# Altium PCB Processor_unit.PcbDoc (part 2 of 2)
Units mm, origin at the board's own origin, x right, y up, seen from the top; angles counter-clockwise.
Board outline 150.02 x 64.8 mm, 4 copper layers (Top Layer, Layer 1, Layer 2, Bottom Layer), stack 0.603 mm thick; 133 components, 173 nets, 617 pads, 278 vias.
Unrouted connection lines stored in the file: 328.
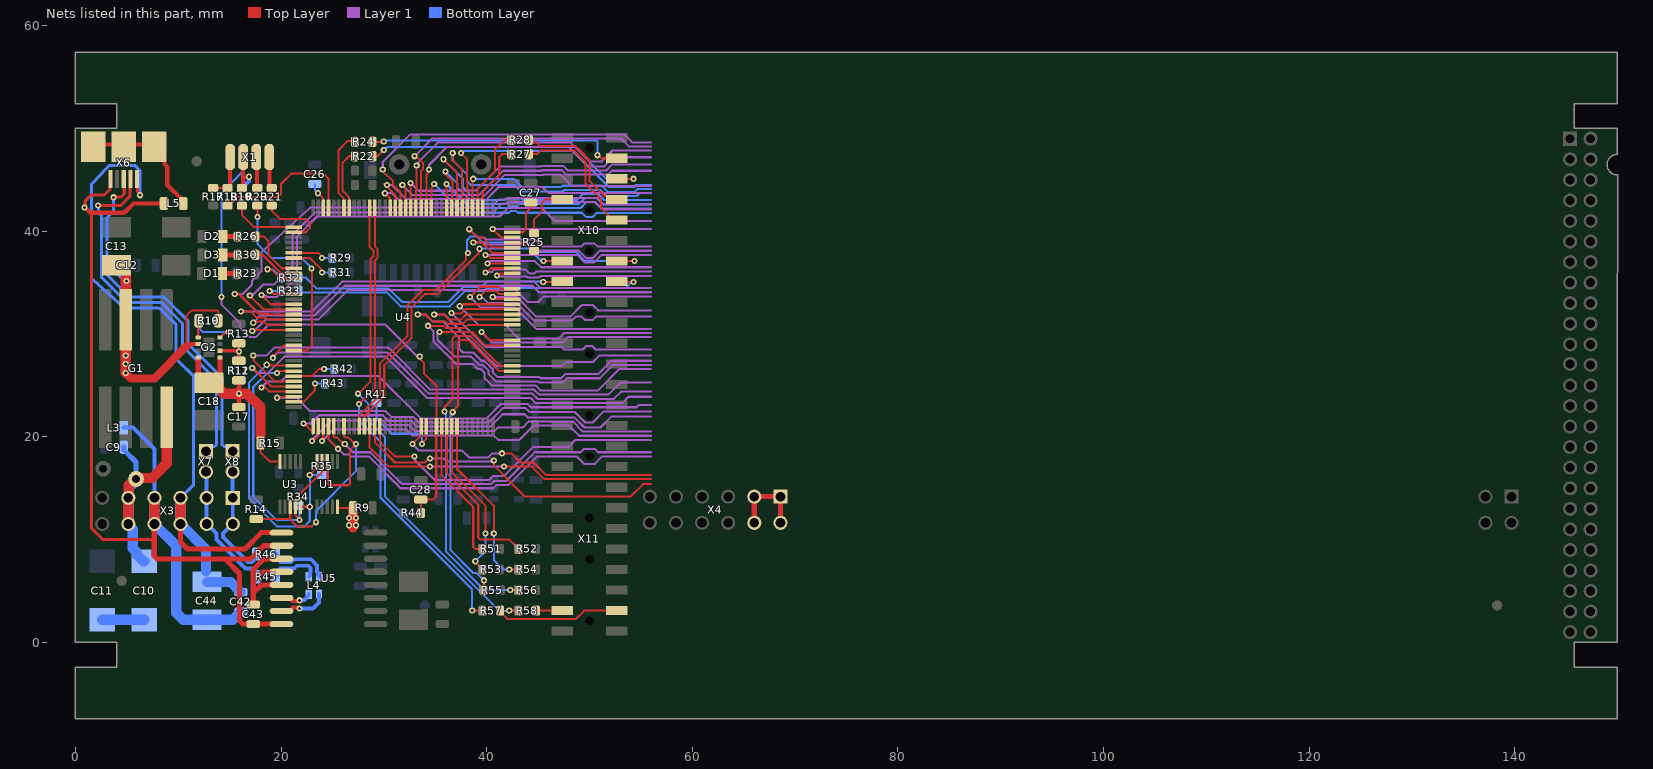
[diagram p4: the nets of this part, all layers, seen from the top]

## Via types
v1: diameter 0.6, hole 0.3, Top Layer to Bottom Layer, 243 vias
v2: diameter 0.8, hole 0.8, Top Layer to Bottom Layer, 30 vias
v3: diameter 0.5, hole 0.2, Top Layer to Bottom Layer, 2 vias
v4: diameter 1.2, hole 0.6, Top Layer to Bottom Layer, 1 vias
v5: diameter 1.5, hole 0.8, Top Layer to Bottom Layer, 1 vias
v6: diameter 1.1, hole 0.8, Top Layer to Bottom Layer, 1 vias

## Nets (pads, with @x,y where several pads share a name; then routed paths per layer and width w, separated by ;. In a path a pad name is that pad's centre, name@x,y a point inside that pad or via, vN(x,y) a via of type N, cw(c..) or ccw(c..) an arc to the next point about the centre after c; other vN are vias at no path point) (continued)
GPIO_7: R57.2 X11.17 | length 12.1
  Top Layer w0.2: R57.2@41.3,3.1 41.3,3 42,2.3 48.7,2.3 49.5,3.1 X11.17@52.65,3.1
GPIO_8: R58.2 X11.18 | length 2.6
  Top Layer w0.2: R58.2@44.796,3.1 X11.18@47.35,3.1
GPIO_9: U4.141 | length 44.2
  Top Layer w0.2: v1(18.1,24.8) 18.466,24.8 18.841,24.425 21.225,24.425 U4.141@21.25,24.4
  Layer 1 w0.2: v1(18.1,24.8) 18.684,25.384 19.996,25.384 20.512,25.9 29.482,25.9 33.582,21.8 40,21.8 41.4,23.2 44,23.2 44.322,22.878 54.578,22.878 54.8,23.1 56,23.1
GPIO_10: U4.142 | length 40.7
  Top Layer w0.2: v1(19.6,23.8) 19.675,23.875 21.225,23.875 U4.142@21.25,23.9
  Layer 1 w0.2: v1(19.6,23.8) 21.519,23.8 22.806,22.512 30.139,22.512 30.71,21.941 32.859,21.941 33.4,21.4 40.19,21.4 41.59,22.8 43.8,22.8 44.2,22.4 48.6,22.4 49.625,21.375 50.3,21.375 51.403,22.478 56,22.478
GPIO_11: U4.1 | length 37.6
  Top Layer w0.2: v1(22.2,21.3) 22.256,21.3 22.956,20.6 23.125,20.769 U4.1@23.125,21.025
  Layer 1 w0.2: v1(22.2,21.3) 22.893,21.3 23.693,22.1 29.9,22.1 30.459,21.541 32.659,21.541 33.2,21 40.356,21 41.556,22.2 43.7,22.2 44,21.9 48.534,21.9 49.527,20.907 51.075,20.907 52.168,22 56,22
GPIO_12: U4.2 | length 36.9
  Top Layer w0.2: v1(23,19.6) 23.151,19.6 23.625,20.074 U4.2@23.625,21.025
  Layer 1 w0.2: v1(23,19.6) 23,19.695 24.905,21.6 29.834,21.6 30.293,21.141 32.459,21.141 33.038,20.562 40.728,20.562 41.066,20.9 43.5,20.9 44.1,21.5 48.369,21.5 49.363,20.505 56,20.505
GPIO_13: U4.3 | length 35.3
  Top Layer w0.2: v1(24,19.6) 24.112,19.712 24.112,21.013 U4.3@24.125,21.025
  Layer 1 w0.2: v1(24,19.6) 25.1,20.7 32.207,20.7 32.785,20.122 40.698,20.122 41.12,19.7 43.2,19.7 44.6,21.1 48,21.1 48.995,20.105 56,20.105
GPIO_14: U4.4 | length 36.5
  Top Layer w0.2: U4.4@24.625,21.025 24.625,19.775 25.534,18.866 v1(25.534,18.834)
  Layer 1 w0.2: v1(25.534,18.834) 25.566,18.834 26.098,18.302 26.598,18.302 26.8,18.1 28.52,18.1 31.62,15 40.631,15 40.932,15.301 42.122,15.301 44.921,18.1 48.749,18.1 49.474,17.375 50.526,17.375 51.251,18.1 56,18.1
GPIO_15: U4.5 | length 35.3
  Top Layer w0.2: U4.5@25.125,21.025 25.125,20.042 25.242,19.925 25.475,19.925 26.1,19.3 v1(26.2,19.3)
  Layer 1 w0.2: v1(26.2,19.3) 27,18.5 28.686,18.5 31.786,15.4 40.466,15.4 40.767,15.701 41.899,15.701 44.698,18.5 49.149,18.5 49.474,18.825 50.526,18.825 50.851,18.5 56,18.5
GPIO_16: U4.58 | length 18.9
  Top Layer w0.2: v1(40.6,33.6) 40.708,33.6 40.908,33.4 U4.58@42.5,33.4
  Layer 1 w0.2: v1(40.6,33.6) 42.932,33.6 44.832,31.7 48.123,31.7 49.248,32.825 50.326,32.825 50.851,32.3 56,32.3
GPIO_17: U4.59 | length 21.7
  Top Layer w0.2: v1(39.3,33.6) 39.9,34.2 40.926,34.2 41.226,33.9 U4.59@42.5,33.9
  Layer 1 w0.2: v1(39.3,33.6) 39.377,33.523 39.617,33.523 40.148,32.993 42.935,32.993 44.628,31.3 48.289,31.3 48.689,31.7 49.249,31.7 49.574,31.375 50.326,31.375 50.651,31.7 50.8,31.7 56,31.7
GPIO_18: U4.60 | length 23.5
  Top Layer w0.2: v1(38.4,33.6) 39.4,34.6 41.2,34.6 41.4,34.4 U4.60@42.5,34.4
  Layer 1 w0.2: v1(38.4,33.6) 39.442,32.558 42.784,32.558 44.342,31 44.349,31 44.849,30.5 56,30.5
GPIO_19: U4.63 | length 16.7
  Top Layer w0.2: v1(41,35.7) 41.108,35.7 41.308,35.9 U4.63@42.5,35.9
  Layer 1 w0.2: v1(41,35.7) 41.1,35.6 43.886,35.6 43.986,35.5 45.101,35.5 45.265,35.665 56,35.665
GPIO_20: U4.64 | length 19.2
  Top Layer w0.2: v1(39.9,36) 40.051,36 40.451,36.4 U4.64@42.5,36.4
  Layer 1 w0.2: v1(39.9,36) 39.949,36.049 40.5,36.049 40.751,36.3 43.751,36.3 44.151,35.9 44.648,35.9 44.813,36.065 56,36.065
GPIO_21: U4.65 | length 18.7
  Top Layer w0.2: v1(40.081,36.878) 42.478,36.878 U4.65@42.5,36.9
  Layer 1 w0.2: v1(40.081,36.878) 40.303,37.1 44.699,37.1 45.299,36.5 56,36.5
GPIO_22: U4.66 | length 19.7
  Top Layer w0.2: v1(39.9,37.7) v1@39.9,37.892 ; v1@39.9,37.892 39.916,37.892 40.408,37.4 U4.66@42.5,37.4
  Layer 1 w0.2: v1(39.9,37.7) 45.299,37.7 48.8,37.7 49.525,36.975 50.466,36.975 51.191,37.7 56,37.7
GPIO_23: U4.67 | length 22.5
  Top Layer w0.2: v1(38.7,38.9) 38.741,38.941 39.507,38.941 40.549,37.9 U4.67@42.5,37.9
  Layer 1 w0.2: v1(38.7,38.9) 39.617,38.9 39.817,38.7 44.4,38.7 45,38.1 48.975,38.1 49.7,37.375 50.3,37.375 51.025,38.1 56,38.1
GPIO_24: U4.68 | length 23.6
  Top Layer w0.2: v1(38.314,40.2) 39.107,39.407 39.607,39.407 40.614,38.4 U4.68@42.5,38.4
  Layer 1 w0.2: v1(38.314,40.2) 39.123,39.392 39.764,39.392 39.958,39.197 44.703,39.197 45.4,38.5 49.195,38.5 49.52,38.825 50.472,38.825 50.797,38.5 56,38.5
GPIO_25: U4.56 | length 27.2
  Top Layer w0.2: v1(36.6,32.033) 36.633,32 37.53,32 37.73,32.2 37.733,32.2 37.958,32.425 42.475,32.425 U4.56@42.5,32.4
  Layer 1 w0.2: v1(36.6,32.033) 39.875,28.758 47.31,28.758 47.568,28.5 49.349,28.5 49.674,28.825 50.3,28.825 50.625,28.5 56,28.5
GPIO_26: U4.57 | length 25.3
  Top Layer w0.2: v1(37.392,32.708) 37.516,32.708 37.708,32.9 U4.57@42.5,32.9
  Layer 1 w0.2: v1(37.392,32.708) 39.2,30.9 41.8,30.9 43.142,29.558 47.004,29.558 47.546,30.1 56,30.1
GPIO_27: U4.87 | length 28.7
  Top Layer w0.2: v1(33,47.3) 33.149,47.3 33.8,46.649 33.8,46.049 33.6,45.849 33.6,43.1
  Layer 1 w0.2: v1(33,47.3) 34.722,49.022 53.071,49.022 53.844,48.25 56,48.25
GPIO_28: U4.88 | length 29.2
  Top Layer w0.2: U4.88@33.125,42.275 33.125,43.924 33.2,43.999 v1(33.2,46.4)
  Layer 1 w0.2: v1(33.2,46.4) 33.2,46.572 35.25,48.622 48.178,48.622 50,46.8 51.2,46.8 52.25,47.85 56,47.85
GPIO_29: U4.89 | length 27.6
  Top Layer w0.2: v1(32.6,44.7) 32.613,44.688 32.613,42.287 U4.89@32.625,42.275
  Layer 1 w0.2: v1(32.6,44.7) 33.36,43.94 36.489,43.94 36.492,43.944 38.944,43.944 41.283,46.283 41.451,46.283 45.203,46.283 45.251,46.331 47.493,46.331 47.912,45.912 51.627,45.912 52.214,46.5 56,46.5
GPIO_30: U4.90 | length 28.3
  Top Layer w0.2: v1(31.8,44.5) 31.8,44.449 32.125,44.124 U4.90@32.125,42.275
  Layer 1 w0.2: v1(31.8,44.5) 32.76,43.54 39.275,43.54 41.617,45.883 45.368,45.883 45.417,45.931 47.328,45.931 47.746,45.512 51.792,45.512 52.162,45.883 56,45.883
GPIO_31: U4.91 | length 32.7
  Top Layer w0.2: v1(29.9,46) 29.9,45.849 30.9,44.849 30.9,44.5 31.625,43.775 U4.91@31.625,42.275
  Layer 1 w0.2: v1(29.9,46) 29.9,46.738 32.584,49.422 53.379,49.422 54.151,48.65 56,48.65
GPIO_32: U4.92 | length 30.9
  Top Layer w0.2: 29.967,44.587 30.213,44.587 v1(30.3,44.5) ; 29.99,44.61 30.038,44.61 31.125,43.524 U4.92@31.125,42.275
  Layer 1 w0.2: v1(30.3,44.5) 30.8,44.5 32.178,43.122 39.422,43.122 41.783,45.483 45.534,45.483 45.582,45.531 47.162,45.531 48.293,44.4 56,44.4
GPIO_33: U4.93 | length 29.1
  Top Layer w0.2: v1@29.9,43.7 29.977,43.623 30.176,43.623 30.6,43.199 30.6,42.3 U4.93@30.625,42.275
  Layer 1 w0.2: v1(30.1,43.7) 30.8,43.7 31.79,42.71 39.61,42.71 41.2,44.3 45.434,44.3 46.034,43.7 56,43.7
GPIO_34: U4.124 | length 47.9
  Top Layer w0.2: v1(18.1,33.8) 19,32.9 U4.124@21.25,32.9
  Layer 1 w0.2: v1(18.1,33.8) 18.177,33.723 18.521,33.723 18.651,33.593 19.593,33.593 21.568,35.568 21.568,39.503 23.498,41.432 40.798,41.432 40.801,41.436 41.252,41.436 42.099,42.282 45.367,42.282 46.649,41 56,41
GPIO_35: U4.125 | length 49.7
  Top Layer w0.2: v1(16.965,33.735) 18.3,32.4 U4.125@21.25,32.4
  Layer 1 w0.2: v1(16.965,33.735) 17.031,33.8 17.251,33.8 18.251,34.8 19.3,34.8 21.1,36.6 21.1,39.6 23.332,41.832 40.632,41.832 41.482,42.682 42.161,42.682 42.304,42.825 50.601,42.825 51.284,42.142 56,42.142
GPIO_36: U4.126 | length 52.4
  Top Layer w0.2: v1(15.5,33.9) 15.914,33.9 17.814,32 18.68,32 18.78,31.9 U4.126@21.25,31.9
  Layer 1 w0.2: v1(15.5,33.9) 16.282,33.9 17.182,34.8 17.182,35.2 18.083,36.1 18.083,37.95 22.833,42.3 40.4,42.3 41.182,43.082 41.919,43.082 42.062,43.225 50.775,43.225 51.4,42.6 56,42.6
GPIO_37: U4.127 | length 46.8
  Top Layer w0.2: v1(16.1,32.2) 17.049,32.2 17.649,31.6 18.514,31.6 18.714,31.4 U4.127@21.25,31.4
  Layer 1 w0.2: v1(16.1,32.2) 23.04,32.2 25.94,35.1 28.9,35.1 28.905,35.105 39.295,35.105 39.3,35.1 43.82,35.1 44.63,35.1 45.265,34.465 56,34.465
GPIO_38: U4.128 | length 44.6
  Top Layer w0.2: v1(17.3,31.1) 17.4,31.2 18.349,31.2 18.649,30.9 U4.128@21.25,30.9
  Layer 1 w0.2: v1(17.3,31.1) 18,31.8 23.291,31.8 26.191,34.7 43.654,34.7 44.464,34.7 45.101,34.063 45.397,34.063 45.399,34.065 56,34.065
GPIO_39: U4.129 | length 45.3
  Top Layer w0.2: v1(17.2,30.3) 17.275,30.375 21.225,30.375 U4.129@21.25,30.4
  Layer 1 w0.2: v1(17.2,30.3) 17.277,30.376 17.47,30.376 18.493,31.4 23.636,31.4 26.536,34.3 42.797,34.3 43.997,33.1 45,33.1 45.565,33.665 56,33.665
GPIO_40: U4.132 | length 41.8
  Top Layer w0.2: v1(19.214,27.686) 19.214,27.8 20.314,28.9 U4.132@21.25,28.9
  Layer 1 w0.2: v1(19.214,27.686) 19.214,27.714 19.7,28.2 30.366,28.2 34.366,24.2 44.447,24.2 44.947,23.7 49.82,23.7 ; 49.82,23.7 50.98,23.7 51.534,23.7 52.384,23.7 53.084,24.4 56,24.4
GPIO_41: U4.77 | length 21
  Top Layer w0.2: U4.77@38.625,42.275 38.625,45 38.725,45.1 v1(38.7,45.1)
  Bottom Layer w0.2: v1(38.7,45.1) 42.653,45.1 43.471,44.283 47.265,44.283 47.407,44.425 51.201,44.425 51.8,43.826 54.429,43.826 54.703,44.1 56,44.1
GPIO_42: U4.78 | length 25.7
  Top Layer w0.2: v1(37.5,47.6) 38.1,47 38.1,44.851 38.125,44.826 U4.78@38.125,42.275
  Bottom Layer w0.2: v1(37.5,47.6) 37.608,47.6 37.808,47.8 48.392,47.8 51.892,44.3 54.337,44.3 54.537,44.5 56,44.5
GPIO_43: U4.79 | length 27.8
  Top Layer w0.2: v1(36.7,47.6) 36.7,46.9 37.625,45.975 U4.79@37.625,42.275
  Bottom Layer w0.2: v1(36.7,47.6) 36.7,46.9 38.1,45.5 38.1,45.349 38.1,44.851 38.451,44.5 42.688,44.5 43.305,43.883 47.43,43.883 47.573,44.025 51.035,44.025 51.635,43.426 54.594,43.426 54.869,43.7 56,43.7
GPIO_44: U4.80 | length 28.2
  Top Layer w0.2: v1(35.8,47) 37.125,45.675 U4.80@37.125,42.275
  Bottom Layer w0.2: v1(35.8,47) 37.7,45.1 37.7,44.266 38.908,43.058 41.725,43.058 41.854,43.188 43.346,43.188 43.475,43.058 48.801,43.058 49.368,43.625 50.87,43.625 51.469,43.026 56,43.026
GPIO_45: U4.81 | length 26
  Top Layer w0.2: v1(36,45.8) 36,45.549 36.7,44.849 36.7,44.151 36.625,44.076 U4.81@36.625,42.275
  Bottom Layer w0.2: v1(36,45.8) 37.177,44.623 37.177,44.223 38.742,42.658 41.89,42.658 42.02,42.788 43.18,42.788 43.31,42.658 48.967,42.658 49.534,43.225 50.704,43.225 51.303,42.626 56,42.626
GPIO_46: U4.82 | length 23.8
  Top Layer w0.2: v1@36.111,44.601 36.111,42.289 U4.82@36.125,42.275
  Bottom Layer w0.2: v1(36.1,44.6) 38.442,42.258 42.056,42.258 42.186,42.388 43.014,42.388 43.144,42.258 49.133,42.258 49.7,42.825 50.538,42.825 51.138,42.226 56,42.226
GPIO_47: U4.85 | length 25.4
  Top Layer w0.2: U4.85@34.625,42.275 34.625,44.217 34.9,44.492 v1(34.9,44.6)
  Layer 1 w0.2: v1@34.9,44.4 v1(34.9,44.6)
  Bottom Layer w0.2: v1(34.9,44.6) 37.7,41.8 42.164,41.8 42.351,41.988 42.849,41.988 43.036,41.8 49.275,41.8 49.7,41.375 50.3,41.375 50.713,41.788 56,41.788
GPIO_48: U4.86 | length 27.8
  Top Layer w0.2: U4.86@34.125,42.275 34.15,42.3 34.15,45.55 34.4,45.8 v1(34.4,46)
  Layer 1 w0.2: v1(34.4,46) 34.4,46.449 36.151,48.2 47.963,48.2 49.85,46.312 51.461,46.312 52.348,47.2 56,47.2
GPIO_49: U4.22 | length 27
  Top Layer w0.2: v1(32.785,19.3) 33.41,19.925 33.508,19.925 33.625,20.042 U4.22@33.625,21.025 U4.22@33.6,20.963 ; v1(41.5,18.4) 42.4,18.4 43.3,17.5 44.566,17.5 45.766,16.3 56,16.3
  Layer 1 w0.2: v1(32.785,19.3) 33.428,18.657 37.627,18.657 38.294,17.99 40.142,17.99 40.551,18.4 v1(41.5,18.4)
GPIO_50: U4.49 | length 31.9
  Top Layer w0.2: v1(35.422,30.2) 38.58,30.2 39.4,29.38 39.4,29.366 39.866,28.9 U4.49@42.5,28.9
  Layer 1 w0.2: v1(35.422,30.2) 35.343,30.2 35.226,30.083 35.226,29.458 36.884,27.8 38.5,27.8 39.3,27 39.614,27 40.2,26.414 40.2,26.1 40.9,25.4 44.997,25.4 45.097,25.3 47.4,25.3 47.8,25.7 49.249,25.7 50.9,25.7 51.014,25.7 52.314,27 56,27
GPIO_51: U4.50 | length 20.5
  Top Layer w0.2: v1(39.5,30.2) 40.3,29.4 U4.50@42.5,29.4
  Layer 1 w0.2: v1(39.5,30.2) 40.542,29.158 47.362,29.158 47.903,29.7 56,29.7
GPIO_52: U4.53 | length 34.5
  Top Layer w0.2: v1(34.3,30.8) 35.82,30.8 36.02,30.6 37.91,30.6 38.21,30.9 U4.53@42.5,30.9
  Layer 1 w0.2: v1(34.3,30.8) 34.822,30.278 34.822,29.296 37.018,27.1 38.634,27.1 39.134,26.6 39.449,26.6 39.8,26.249 39.8,25.7 40.2,25.3 40.5,25 44.778,25 45.278,24.5 50.151,24.5 50.648,24.5 50.8,24.5 52.9,26.6 56,26.6
GPIO_53: U4.54 | length 36.5
  Top Layer w0.2: v1(33.3,31.9) 34.051,31.9 34.751,31.2 35.986,31.2 36.186,31 37.661,31 38.061,31.4 U4.54@42.5,31.4
  Layer 1 w0.2: v1(33.3,31.9) 34.049,31.9 34.749,31.2 35.8,31.2 37.3,29.7 37.3,28.6 37.7,28.2 38.7,28.2 39.5,27.4 39.78,27.4 40.6,26.58 40.6,26.3 41.1,25.8 45.163,25.8 45.263,25.7 45.351,25.7 45.848,25.7 47.234,25.7 47.634,26.1 49.651,26.1 50.148,26.1 50.849,26.1 51.249,26.5 51.6,26.851 52.149,27.4 56,27.4
GPIO_54: U4.55 | length 31.6
  Top Layer w0.2: v1(34.9,31.9) 35.851,31.9 36.318,31.433 37.528,31.433 37.895,31.8 37.898,31.8 37.998,31.9 U4.55@42.5,31.9
  Layer 1 w0.2: v1(34.9,31.9) 35.885,31.9 40.885,26.9 47.4,26.9 47.8,27.3 50.351,27.3 50.951,27.9 56,27.9
GPIO_55: U4.139 | length 46.7
  Top Layer w0.2: v1(17.3,27.9) 17.316,27.884 17.316,27.467 19.383,25.4 U4.139@21.25,25.4
  Layer 1 w0.2: v1(17.3,27.9) 18.58,27.9 19.38,28.7 30.382,28.7 30.482,28.6 30.531,28.6 34.531,24.6 44.613,24.6 45.113,24.1 49.986,24.1 50.814,24.1 51.369,24.1 51.834,24.1 53.034,25.3 56,25.3
GPIO_56: U4.140 | length 46.6
  Top Layer w0.2: v1(17.2,26.7) 17.258,26.7 19.058,24.9 U4.140@21.25,24.9
  Layer 1 w0.2: v1(17.2,26.7) 17.7,26.2 18.7,26.2 20.3,27.8 30.2,27.8 34.2,23.8 44.269,23.8 44.791,23.278 53.178,23.278 53.8,23.9 56,23.9
GPIO_57: U4.14 | length 31.3
  Top Layer w0.2: U4.14@29.625,21.025 29.625,19.526 31.051,18.1 v1(33,18.1)
  Layer 1 w0.2: v1(33,18.1) 33,17.751 34.951,15.8 40.244,15.8 40.644,16.2 41.7,16.2 44.5,19 48,19 48,19.049 48.651,19.7 56,19.7
GPIO_58: U4.70 | length 17.7
  Top Layer w0.2: v1(40.6,40.215) 40.6,40.2 41.4,39.4 U4.70@42.5,39.4
  Layer 1 w0.2: v1@40.6,40.2 40.627,40.227 56,40.227 ; v1(40.6,40.215) v1@40.608,40.208
GPIO_59: U4.12 | length 30.7
  Top Layer w0.2: U4.12@28.625,21.025 28.625,18.959 30.484,17.1 v1(34.5,17.1) ; v1(41.682,17.1) 44.4,17.1 45.617,15.883 56,15.883
  Layer 1 w0.2: v1(34.5,17.1) v1(41.682,17.1)
GPIO_60: U4.13 | length 31
  Top Layer w0.2: 29.15,20.2 29.15,19.436 31.086,17.5 33.992,17.5 34.392,17.9 v1(34.5,17.9) ; v1(40.7,17.7) 40.7,17.226 43.726,14.2 54.02,14.2 55.22,15.4 56,15.4
  Layer 1 w0.2: v1(34.5,17.9) 35.8,17.9 36.11,17.59 40.59,17.59 v1(40.7,17.7)
GPIO_CPU_1: R51.1 U4.26 | length 14
  Top Layer w0.2: U4.26@35.625,21.025 35.625,16.254 38.7,13.179 38.7,9.3 38.9,9.1 R51.1@39.6,9.1
GPIO_CPU_2: R52.1 U4.27 | length 16.5
  Top Layer w0.2: U4.27@36.125,21.025 36.125,16.461 39.187,13.399 39.187,10.213 39.4,10 42.196,10 42.758,9.438 42.804,9.438 43.096,9.146 R52.1@43.096,9.1
GPIO_CPU_3: R53.1 U4.28 | length 16
  Top Layer w0.2: U4.28@36.625,21.025 36.625,16.574 39.9,13.299 v1(39.9,10.6) ; v1(38.9,7.9) 38.9,7.8 R53.1@39.6,7.1
  Bottom Layer w0.2: v1(38.9,7.9) 39.9,8.9 v1(39.9,10.6)
GPIO_CPU_4: R54.1 U4.29 | length 17.3
  Top Layer w0.2: U4.29@37.125,21.025 37.125,16.875 40.7,13.3 v1(40.7,10.6) ; v1(42.2,7.1) R54.1@43.096,7.1
  Bottom Layer w0.2: v1(40.7,10.6) 40.7,8.019 41.619,7.1 v1(42.2,7.1)
GPIO_CPU_5: R55.1 U4.44 | length 32.8
  Top Layer w0.2: v1(36.7,22.4) v1@36.7,22.5 ; v1@36.8,22.4 v1@36.7,22.5 ; R55.1@39.7,5.1 39.721,5.121 39.721,6.021 v1(39.743,6.043) ; U4.44@42.5,26.4 41.234,26.4 38.6,29.034 38.6,29.049 38.249,29.4 37.317,29.4 37.2,29.283 37.2,23 v1@36.7,22.5
  Bottom Layer w0.2: v1(36.7,22.4) 36.5,22.2 36.5,8.951 38.676,6.775 39.01,6.775 v1(39.743,6.043)
GPIO_CPU_6: R56.1 U4.45 | length 36.8
  Top Layer w0.2: v1(35.9,22.46) 35.9,22.9 36.7,23.7 36.7,29.6 36.9,29.8 38.414,29.8 39,29.214 39,29.2 41.3,26.9 U4.45@42.5,26.9 ; v1(42.3,5.1) R56.1@43.096,5.1
  Bottom Layer w0.2: v1(35.9,22.46) 36.056,22.304 36.056,8.83 39.786,5.1 v1(42.3,5.1)
GPIO_CPU_7: R57.1 U4.96 | length 45.6
  Top Layer w0.2: v1@27.592,23.185 29.125,24.718 29.125,37.155 29.4,37.43 29.4,38.258 29.125,38.533 U4.96@29.125,42.275 ; v1(38.6,3.1) R57.1@39.6,3.1
  Bottom Layer w0.2: v1(27.6,23.2) 27.6,21.5 29.7,19.5 29.7,14.054 38.6,5.154 v1(38.6,3.1)
GPIO_CPU_8: R58.1 U4.97 | length 47.5
  Top Layer w0.2: v1(27.5,24.2) 28.725,25.425 28.725,37.321 29,37.596 29,38.093 28.625,38.468 U4.97@28.625,42.275 ; v1(42.2,3.1) R58.1@43.096,3.1
  Bottom Layer w0.2: v1(27.5,24.2) 28.5,23.2 28.5,21.6 30.1,20 30.1,14.22 41.24,3.08 v1@42.22,3.08
I2C_CLK: U4.11 X10.14 | length 31.2
  Top Layer w0.2: U4.11@28.125,21.025 28.125,22.025 30.046,23.946 30.046,26.978 32.7,29.632 32.7,32.619 33.966,33.885 35.251,33.885 39.3,37.934 v1(39.3,38.3) ; v1(45.548,37.1) X10.14@47.35,37.1
  Bottom Layer w0.2: v1(39.3,38.3) 44.137,38.3 45.337,37.1 45.4,37.1 v1(45.548,37.1)
I2C_DIO: U4.10 X10.13 | length 42.5
  Top Layer w0.2: U4.10@27.625,21.025 27.625,22.091 29.646,24.112 29.646,27.148 32.289,29.791 32.289,32.774 33.8,34.285 35.085,34.285 37.985,37.185 37.985,37.685 v1(38.192,37.892) ; X10.13@52.65,37.1 v1(54.4,37.1)
  Bottom Layer w0.2: v1(38.192,37.892) 38.1,37.985 38.1,39.148 38.451,39.5 39.024,39.5 39.624,38.9 44.103,38.9 45.003,38 48.7,38 49.6,37.1 v1(54.4,37.1)
I2C_SCL: R35.1 U1.5 U3.5 U4.136 | length 31.8
  Top Layer w0.2: v1(18.616,27.016) 18.706,26.925 21.225,26.925 U4.136@21.25,26.9 ; U3.5@21.9,13.2 v1(22.8,13.2) ; v1(22.8,16.3) 22.8,16.325 23.5,17.025 U1.5@23.5,17.6
  Bottom Layer w0.2: v1(18.616,27.016) 16.9,25.3 16.9,14.011 19.641,11.27 22.258,11.27 22.798,11.81 22.798,13.39 22.808,13.4 22.8,13.408 v1(22.8,16.3) R35.1@24,16.3
I2C_SDA: R34.1 U1.4 U3.4 U4.137 | length 28.4
  Top Layer w0.2: v1(19.6,26.2) 19.708,26.2 19.908,26.4 U4.137@21.25,26.4 ; U3.4@21.4,12.5 21.4,12.4 21.8,12 v1(21.8,11.9) ; U3.4@21.4,13.2 21.45,13.25 21.45,14.05 24,16.6 U1.4@24,17.6
  Bottom Layer w0.2: v1(19.6,26.2) 18.651,26.2 17.3,24.849 17.3,14.177 19.577,11.9 v1(21.8,11.9) 21.8,13.2 R34.1@21.7,13.3
JTDI: R21.2 U4.110 | length 6.9
  Top Layer w0.2: R21.2@19.1,42.5 19.1,42 19.9,41.2 22.4,41.2 22.8,40.8 22.8,40.3 22.4,39.9 U4.110@21.25,39.9
LED_MCU_Connection: R30.2 U4.118 | length 4.5
  Top Layer w0.2: R30.2@17.5,37.7 18.203,37.7 20.003,35.9 U4.118@21.25,35.9
LED_MCU_State: R26.2 U4.117 | length 5.8
  Top Layer w0.2: R26.2@17.5,39.5 17.505,39.495 18.306,39.495 18.8,39 18.8,37.669 20.069,36.4 U4.117@21.25,36.4
NetC10_2: C10.2 C11.1 | length 4.1
  Bottom Layer w1: C11.1@2.6,2.2 C10.2@6.7,2.2
NetC12_2: C12.2 C13.1 G1.7 G2.2 R9.1 R10.2 U1.10 | length 32.1
  Top Layer w0.2: 10.818,28.825 10.818,31.818 11.3,32.3 13.783,32.3 13.9,32.183 R10.2@13.9,31.3 ; U1.10@25.5,13.2 25.5,13.15 25.55,13.1 R9.1@27,13.1
  Top Layer w0.4: 10.821,28.821 11.025,29.025 G2.2@11.95,29.025
  Top Layer w0.8: v1(4.9,26.2) 5.415,25.685 7.685,25.685 10.821,28.821
  Top Layer w1: C13.1@4.4,36.776 4.9,36.276 4.9,35.1 G1.7@4.9,31.4 v1(4.9,27.9) v1(4.9,27.1) v1(4.9,26.2) ; v1@4.9,35.167 v1(4.967,35.167) ; 27,11.2 R9.1@27,13.1
  Bottom Layer w0.6: C12.2@4.1,36.7 4.1,36.035 v1(4.967,35.167)
  other v1: 26.6,11.4 27.3,11.4 26.6,12.1 27.3,12.1
NetC17_2: C17.2 C18.1 G2.4 G2.5 R11.2 R12.2 R15.1 U3.10 | length 21.5
  Top Layer w0.2: R15.1@18,19.4 18,18.5 18.9,17.6 U3.10@19.9,17.6
  Top Layer w0.5: C18.1@11.95,25.933 G2.4@11.95,27.625 ; C18.1@11.95,26.033 12.7,25.283 C18.1@13,25.283 ; C18.1@13.3,25.283 14.05,26.033 G2.5@14.05,27.625 ; C17.2@15.9,22.9 v1(15.9,24.2) R12.2@15.9,25.5
  Top Layer w1: C18.1@13,25.283 13.3,25.283 13.4,25.283 14.483,24.2 v1(15.9,24.2) 16.68,24.2 18.011,22.869 18.011,20.118
  Bottom Layer w0.3: v1(15.9,24.2) R11.2@15.9,25.5
NetC19_2: C19.2 G2.8 | length 4.8
  Top Layer w0.2: G2.8@14.05,29.675 14.1,29.675 14.548,30.123 14.823,30.123 v1(14.9,30.2)
  Bottom Layer w0.2: C19.2@12,31.3 12.1,31.2 12.1,30.5 12.4,30.2 v1(14.9,30.2)
NetC26_2: C26.2 U4.106 | length 2.7
  Top Layer w0.2: v1(23.6,43.7) 24.1,43.2 24.1,42.3 U4.106@24.125,42.275
  Bottom Layer w0.2: C26.2@23.3,44.6 23.3,44 v1(23.6,43.7)
NetC27_2: C27.2 U4.71 | length 4.3
  Top Layer w0.2: U4.71@42.5,39.9 43.532,39.9 43.826,40.194 43.826,41.784 44.298,42.256 44.298,42.798 C27.2@44.3,42.8
NetC43_2: C43.2 U5.3 U5.4 U5.5 | length 12.8
  Top Layer w0.5: C43.2@17.3,3.7 17.3,4.8 ; U5.5@20.05,5.6 18.1,5.6 17.3,4.8 ; U5.4@20.05,6.87 18.22,6.87 17.3,5.95 ; U5.3@20.05,8.14 18.34,8.14 17.3,7.1 17.3,5.95 ; 17.3,4.8 17.3,5.95
NetD1_1: D1.1 R23.1 | length 1.5
  Top Layer w0.5: D1.1@14.3,35.9 R23.1@15.8,35.9
NetD2_1: D2.1 R26.1 | length 1.5
  Top Layer w0.5: D2.1@14.332,39.5 R26.1@15.8,39.5
NetD3_1: D3.1 R30.1 | length 1.5
  Top Layer w0.5: D3.1@14.332,37.7 R30.1@15.8,37.7
NetG2_1: G2.1 R10.1 | length 1.6
  Top Layer w0.2: G2.1@11.95,29.675 11.95,31.25 R10.1@12,31.3
NetG2_6: G2.6 R11.1 R12.1 R13.2 | length 4.5
  Top Layer w0.3: G2.6@14.05,28.375 15.775,28.375 v1@15.9,28.25 ; R12.1@15.9,27.4 v1@15.9,28.25 ; R13.2@15.9,29.1 v1@15.9,28.25
  Bottom Layer w0.3: R11.1@15.9,27.4 v1(15.9,28.3)
NetL5_1: L5.1 X6.0 | length 12.6
  Top Layer w0.4: X6.0@1.725,48.425 4.7,48.425 X6.0@7.675,48.425 ; X6.0@7.675,48.225 8.675,47.225 8.675,46.527 8.934,46.268 8.934,44.516 10.5,42.95 L5.1@10.5,42.7
NetR16_1: R16.1 R19.1 X1.A2 | length 5
  Top Layer w0.4: R19.1@16.3,44.2 16.313,44.213 16.313,45.264 ; X1.A2@16.326,47.206 16.313,47.193 16.313,45.264 ; v1(16.9,45.3) 16.864,45.264 16.313,45.264
  Bottom Layer w0.4: R16.1@16.2,44.2 16.9,44.9 v1(16.9,45.3)
NetR17_1: R17.1 R18.1 X1.A1 | length 4.6
  Top Layer w0.2: R17.1@13.3,44.2 R18.1@14.8,44.2
  Top Layer w0.4: R18.1@14.8,44.2 14.856,44.2 15.056,44.4 X1.A1@15.056,47.206
NetR20_1: R20.1 X1.A3 | length 3
  Top Layer w0.4: X1.A3@17.596,47.206 17.648,47.154 17.648,44.252 R20.1@17.7,44.2
NetR21_1: R21.1 X1.A4 | length 3.2
  Top Layer w0.4: X1.A4@18.866,47.206 18.866,44.434 R21.1@19.1,44.2 R21.1@19.2,44.2
NetR22_2: R22.2 U4.101 | length 6.1
  Top Layer w0.2: U4.101@26.625,42.275 26.6,42.3 26.6,43.327 26.525,43.402 26.152,43.775 26,43.927 26,46.682 26.617,47.299 R22.2@27.199,47.299
NetR24_2: R24.2 U4.102 | length 7.9
  Top Layer w0.2: 25.599,46.099 25.599,43.7 26.1,43.199 26.1,42.3 U4.102@26.125,42.275 ; 25.6,46.1 25.6,47.9 26.5,48.8 27.1,48.8 R24.2@27.2,48.7
NetR25_1: R25.1 U4.69 | length 2.8
  Top Layer w0.2: U4.69@42.525,38.925 U4.69@42.5,38.9 43.7,38.9 44.5,38.1 R25.1@44.6,38.1 R25.1@44.807,38.307
NetR27_1: R27.1 U4.75 | length 7.2
  Top Layer w0.2: U4.75@39.625,42.275 39.625,43.83 41.229,45.435 41.229,47.217 41.513,47.5 R27.1@42.7,47.5
NetR28_1: R28.1 U4.76 | length 8.6
  Top Layer w0.2: U4.76@39.125,42.275 39.125,44.14 40.809,45.824 40.809,46.009 ; 40.81,46.01 40.81,47.909 41.801,48.9 R28.1@42.7,48.9
NetR29_1: R29.1 U4.114 | length 4.4
  Top Layer w0.2: U4.114@21.25,37.9 23.618,37.9 24.118,37.4 v1@24.2,37.4
  Bottom Layer w0.2: v1(24,37.4) R29.1@25,37.4 R29.1@24.8,37.2
NetR31_1: R31.1 U4.115 | length 4.5
  Top Layer w0.2: U4.115@21.25,37.4 22.8,37.4 v1@24.2,36
  Bottom Layer w0.2: v1(24,36) R31.1@25,36
NetR32_1: R32.1 U4.119 | length 4.5
  Top Layer w0.2: v1@18.893,36.303 19.034,36.303 19.912,35.425 21.225,35.425 U4.119@21.25,35.4
  Bottom Layer w0.2: v1@18.606,36.292 19.208,36.292 19.6,35.9 19.646,35.9 20,35.546 R32.1@20,35.5
  other v1: 18.7,36.3
NetR33_1: R33.1 U4.122 | length 3.6
  Top Layer w0.2: v1(18.9,34.193) 19.015,34.193 19.308,33.9 U4.122@21.25,33.9
  Bottom Layer w0.2: v1(18.9,34.193) 19.993,34.193 R33.1@20,34.2
NetR41_1: R41.1 U4.23 | length 9.2
  Top Layer w0.2: v1@33.7,19.449 33.7,19.4 33.751,19.4 34.125,19.774 U4.23@34.125,21.025
  Bottom Layer w0.2: R41.1@28.972,23.028 29.262,23.028 29.283,23.008 29.283,22.717 29.295,22.705 29.295,21.769 30.764,20.3 33.3,20.3 33.7,19.9 v1(33.7,19.3)
NetR42_1: R42.1 U4.138 | length 4.3
  Top Layer w0.2: U4.138@21.25,25.9 23.001,25.9 23.726,26.625 24.072,26.625 24.123,26.677 v1(24.2,26.6)
  Bottom Layer w0.2: v1(24.2,26.6) R42.1@25.2,26.6
NetR43_1: R43.1 U4.143 | length 4.2
  Top Layer w0.2: U4.143@21.25,23.4 21.275,23.425 22.199,23.425 23.284,24.511 23.284,25.184 v1(23.3,25.2)
  Bottom Layer w0.2: v1(23.3,25.2) R43.1@24.3,25.2
NRST: C28.2 R44.2 U4.25 X1.B2 | length 55.1
  Top Layer w0.2: v1(33.5,27.8) 33.5,27.6 33.9,27.2 33.9,26.2 35.125,24.975 U4.25@35.125,21.025 35.1,21 35.1,14.2 34.8,13.9 C28.2@33.6,13.9 R44.2@33.6,12.6
  Layer 1 w0.2: v1(14.2,33.6) 14.2,32.9 16,31.1 16,30.651 16.951,29.7 17.448,29.7 17.559,29.7 18.783,30.924 30.161,30.924 v1@33.475,27.609
  Bottom Layer w0.2: v1(14.2,33.6) 14.2,43.715 16.201,45.716 16.201,47.081 X1.B2@16.326,47.206
Out_D_1_MB_N: R45.1 X3.3 X3.4 X7.2 | length 12.7
  Top Layer w0.381: X3.3@12.77,14.065 X3.3@12.79,14.085
  Bottom Layer w0.381: X7.2@12.7,16.6 12.735,16.565 12.735,14.1 X3.3@12.77,14.065 X3.4@12.77,11.525 12.785,11.525 13.725,10.585 13.725,10.008 16.548,7.185 17.167,7.185 17.39,6.961 17.39,6.61 R45.1@17.6,6.4 ; X7.2@12.785,16.615 X7.2@12.8,16.6
Out_D_1_MB_P: R46.1 X3.1 X3.2 X8.2 | length 11.5
  Bottom Layer w0.381: X8.2@15.3,16.6 15.3,14.075 X3.1@15.31,14.065 X3.2@15.31,11.525 15.295,11.525 14.356,10.585 14.356,10.269 16.809,7.816 17.167,7.816 17.39,8.039 17.39,8.39 R46.1@17.6,8.6
Out_D_2_N: X6.2 X7.1 | length 36.2
  Top Layer w0.2: X6.2@5.35,45.3 X6.2@5.375,45.275
  Top Layer w0.3: 2.514,42.508 4.409,42.508 5.3,43.399 5.3,43.875 5.3,45.05 X6.2@5.35,45.1
  Bottom Layer w0.3: v1(2.2,42.5) 2.257,42.443 2.257,41.799 2.524,41.532 2.524,35.542 5.017,33.049 8.388,33.049 10.416,31.02 10.416,28.799 13.725,25.49 13.725,19.725 13.725,19.247 13.549,19.071 13.171,19.071 X7.1@12.7,18.6
Out_D_2_P: X6.3 X8.1 | length 34.9
  Top Layer w0.3: v1(3.7,43.3) 3.726,43.326 4.45,43.326 4.75,43.626 4.75,45.05 X6.3@4.7,45.1
  Bottom Layer w0.3: v1(3.7,43.3) 3.7,41.93 3.074,41.304 3.074,35.77 5.245,33.599 8.616,33.599 10.966,31.248 10.966,29.027 14.275,25.718 14.275,19.953 14.275,19.247 14.451,19.071 14.829,19.071 X8.1@15.3,18.6
Out_D_M1_N: L4.3 R45.2 | length 5
  Bottom Layer w0.381: R45.2@19.5,6.4 19.71,6.61 19.71,6.961 19.933,7.185 21.257,7.185 21.536,7.464 22.661,7.464 22.885,7.241 22.885,6.883 22.809,6.808 22.809,6.509 L4.3@22.7,6.4
Out_D_M1_P: L4.2 R46.2 | length 6.1
  Bottom Layer w0.381: R46.2@19.5,8.6 19.71,8.39 19.71,8.039 19.933,7.816 20.995,7.816 21.274,8.095 22.923,8.095 23.516,7.502 23.516,6.883 23.591,6.808 23.591,6.509 L4.2@23.7,6.4
Out_D_M2_N: L4.4 U5.6 | length 3.2
  Top Layer w0.381: U5.6@20.05,4.33 20.841,4.33 21.11,4.061 21.11,4.016 21.561,4.016 21.603,4.058 21.758,4.058 v1(21.8,4.1)
  Bottom Layer w0.381: v1(21.8,4.1) 21.842,4.142 22.292,4.142 22.7,4.55 L4.4@22.7,4.7
Out_D_M2_P: L4.1 U5.7 | length 4.9
  Top Layer w0.381: U5.7@20.05,3.06 20.841,3.06 21.11,3.329 21.11,3.385 21.561,3.385 21.603,3.342 21.758,3.342 v1(21.8,3.3)
  Bottom Layer w0.381: v1(21.8,3.3) 23.1,3.3 23.7,3.9 L4.1@23.7,4.7
Power_IN: C9.2 C10.1 G1.1 pad.3 X3.9 X3.10 X4.1 X4.2 X4.3 X4.4 | length 33.1
  Top Layer w0.5: X4.4@66.04,11.64 X4.3@66.04,14.18 X4.1@68.58,14.18 X4.2@68.58,11.64
  Top Layer w1: X3.10@5.15,11.525 X3.9@5.15,14.065 5.2,14.115 5.2,15.3 5.9,16 7.477,16 8.888,17.412 8.888,21.888 G1.1@8.9,21.9
  Bottom Layer w0.5: C9.2@4.7,19 4.7,18.75 5.9,17.55 pad.3@5.9,15.9
  Bottom Layer w1: pad.3@5.9,15.9 5.9,15.758 5.221,15.079 5.221,14.136 X3.9@5.15,14.065 5.15,11.424 5.576,10.998 5.576,9.136 5.95,8.762 5.95,8.55 6.6,7.9 C10.1@6.7,7.9
PWR_ALERT: R14.2 U1.3 U3.3 U4.7 | length 27.6
  Top Layer w0.2: R14.2@17.6,12 20.9,12 ; U3.3@20.9,13.2 20.9,12 ; v1(23.4,11.7) 23,11.3 21.551,11.3 20.9,11.951 20.9,12 ; U1.3@24.5,17.6 24.55,17.55 24.55,15.406 24.667,15.289 26.583,15.289 26.7,15.406 26.7,18.7 27.2,19.2 27.2,19.3 26.575,19.925 26.242,19.925 26.125,20.042 U4.7@26.125,21.025
  Bottom Layer w0.2: v1(23.4,11.7) 23.4,12.767 27.29,16.657 27.29,19.29 v1(27.3,19.3)
SPI_CLK: R25.2 X10.8 | length 5.4
  Top Layer w0.2: R25.2@44.585,39.815 R25.2@44.6,39.8 44.6,41.1 45.4,41.9 45.4,42.8 45.7,43.1 X10.8@47.35,43.1
SPI_MISO: R27.2 X10.9 | length 13.2
  Top Layer w0.2: R27.2@44.1,47.5 44.9,47.5 45.245,47.845 48.524,47.845 49.6,46.769 49.6,44.642 51.135,43.107 51.135,42.238 52.274,41.1 X10.9@52.65,41.1
SPI_MOSI: R28.2 X10.7 | length 12.1
  Top Layer w0.2: R28.2@44.1,48.9 44.3,48.7 44.8,48.7 45.226,48.274 48.65,48.274 48.679,48.245 48.69,48.245 48.985,47.95 50,46.935 50,44.9 50.727,44.173 51.465,43.435 52.315,43.435 X10.7@52.65,43.1
SWCLK: R19.2 U4.109 | length 6.4
  Top Layer w0.2: R19.2@16.2,42.5 16.2,41.6 17.4,40.4 U4.109@21.25,40.4
SWDIO: R18.2 U4.105 | length 14.7
  Top Layer w0.2: R18.2@14.8,42.5 14.9,42.5 15.723,43.323 19.723,43.323 19.999,43.599 19.999,44.599 21,45.6 24.14,45.6 24.625,45.114 U4.105@24.625,42.275
SWO: R20.2 U4.133 | length 19.5
  Top Layer w0.2: v1(17.7,41.4) R20.2@17.7,42.5 ; U4.133@21.25,28.4 22.5,28.4 23,28.9 23,36.351 v1(22.976,36.376)
  Bottom Layer w0.2: v1(17.7,41.4) 17.7,38.766 19.048,37.419 21.981,37.419 22.976,36.424 v1(22.976,36.376)
UART_1_RX: R24.1 X10.3 | length 25.7
  Top Layer w0.2: R24.1@28.9,48.7 29.977,48.7 v1(29.991,48.714) ; v1(50.8,47.4) 50.908,47.4 51.208,47.1 X10.3@52.65,47.1 52.809,46.941 X10.3@52.969,47.1
  Bottom Layer w0.2: v1(29.991,48.714) 30.068,48.791 30.288,48.791 30.308,48.811 49.511,48.811 49.525,48.825 50.709,48.825 50.8,48.734 v1(50.8,47.4)
UART_1_TX: R22.1 X10.5 | length 28.8
  Top Layer w0.2: R22.1@28.9,47.3 29.4,47.3 v1(30,47.9) ; X10.5@52.65,45.1 v1(54.3,45.1)
  Top Layer w0.3: X10.5@52.611,45.139 X10.5@52.65,45.1
  Bottom Layer w0.2: v1(30,47.9) 30.017,47.9 30.232,48.114 30.24,48.114 30.325,48.2 48.557,48.2 51.657,45.1 v1(54.3,45.1)
UART_2_RX: R33.2 X10.15 | length 35.9
  Top Layer w0.2: X10.15@52.65,35.1 52.685,35.065 v1(54.3,35.065)
  Bottom Layer w0.2: R33.2@21.7,34.2 21.877,34.023 30.327,34.023 31.65,32.7 36.414,32.7 37.914,34.2 39.7,34.2 39.965,34.465 53.515,34.465 54.124,35.074 54.134,35.065 v1(54.3,35.065)
UART_2_TX: R32.2 X10.16 | length 27.5
  Top Layer w0.2: v1(45.514,35.065) 47.315,35.065 X10.16@47.35,35.1
  Bottom Layer w0.2: R32.2@21.7,35.5 22.4,35.5 23.477,34.423 30.493,34.423 31.816,33.1 36.248,33.1 37.749,34.6 39.5,34.6 40,35.1 45.478,35.1 v1(45.514,35.065)
USB_GND_IN: C42.1 C43.1 C44.2 L3.2 L5.2 U5.2 U5.8 X3.7 X3.8 X6.5 | length 107.4
  Top Layer w0.3: v1(0.9,42.3) 0.957,42.357 0.957,42.957 1.528,43.528 2.822,43.528 3.35,44.055 3.35,45.05 X6.5@3.4,45.1 ; 1.454,41.8 1.559,41.696 1.559,11.112 2.66,10.01 7.301,10.01 7.669,9.642
  Top Layer w0.4: v1(0.9,42.3) 0.954,42.3 1.454,41.8 4.75,41.8 5.65,42.7 L5.2@8.6,42.7
  Top Layer w0.5: X3.8@7.69,11.525 7.669,11.504 7.669,9.642 7.669,8.393 7.962,8.1 14.577,8.1 ; C43.1@17.3,1.8 16.283,1.8 15.963,2.12 15.963,6.714 14.577,8.1 ; C43.1@17.305,1.795 20.045,1.795 U5.8@20.05,1.79 ; U5.2@20.05,9.41 18.31,9.41 17,8.1 14.577,8.1
  Top Layer w1: X3.8@7.69,11.525 X3.7@7.69,14.065
  Bottom Layer w0.4: L3.2@4.7,20.9 5.6,20.9 7.69,18.81 X3.7@7.69,14.065
  Bottom Layer w1: X3.7@7.69,14.065 X3.8@7.69,11.525 9.8,9.415 9.8,2.9 10.5,2.2 C44.2@12.8,2.2 15.3,2.2 15.95,2.85 15.95,2.9 16.05,3 C42.1@16.1,3
V_in: C42.2 C44.1 U5.1 X3.5 X3.6 X6.1 | length 74.1
  Top Layer w0.3: X6.1@6,45.1 6.05,45.05 6.05,43.831 6.292,43.589 v1(6.292,43.508)
  Top Layer w0.5: X3.6@10.23,11.525 10.23,9.77 10.9,9.1 16.5,9.1 18.08,10.68 U5.1@20.05,10.68
  Top Layer w1: X3.6@10.23,11.525 X3.5@10.23,14.065
  Bottom Layer w0.3: v1(6.292,43.508) 6.292,45.892 5.774,46.411 3.311,46.411 3,46.1 1.7,44.7 1.55,44.55 1.55,35.438 1.7,35.288 4.74,32.549 8.151,32.549 9.8,30.9 9.8,27.577 10.863,26.514 10.886,26.514 11.5,25.9 11.5,15.335 X3.5@10.23,14.065
  Bottom Layer w1: X3.5@10.23,14.065 X3.6@10.23,11.525 12.7,9.055 12.7,6.9 ; C44.1@12.8,5.883 15.117,5.883 15.703,5.297 15.703,5.247 16.05,4.9 C42.2@16.1,4.9
pads on no net: G1.3 G1.4 G1.8 G2.7 U4.8 U4.9 U4.15 U4.42 U4.43 U4.46 U4.47 U4.48 U4.100 U4.123 U4.134 U4.135 X4.9 X4.10 X4.11 X4.12 X6.4 X9.0 X10.0 X11.0 X12.1 X12.2 X12.3 X12.4 X12.5 X12.6 X12.7 X12.8 X12.9 X12.10 X12.11 X12.12 X12.13 X12.14 X12.15 X12.16 X12.17 X12.18 X12.19 X12.20 X12.21 X12.22 X12.23 X12.24 X12.25 X12.26 X12.27 X12.28 X12.29 X12.30 X12.31 X12.32 X12.33 X12.34 X12.35 X12.36 X12.37 X12.38 X12.39 X12.40 X12.41 X12.42 X12.43 X12.44 X12.45 X12.46 X12.47 X12.48 X12.49 X12.50
copper on no net: | length 0.5
  Top Layer w0.5: 55.815,14.273 55.88,14.209 55.88,14.18 55.894,14.166 55.923,14.166 ; 55.88,11.64 55.923,11.683 ; 58.395,14.273 58.42,14.249 58.42,14.18 58.431,14.18 58.46,14.209 ; 58.42,11.64 58.46,11.68
  Layer 1 w0.2: 39.4,40.2 39.508,40.2
  other v2: 4,-0.5 5.1,-0.5 6.2,-0.5 7.3,-0.5 8.4,-0.5 70.5,-0.5 71.6,-0.5 72.7,-0.5 73.8,-0.5 74.9,-0.5 141.4,-0.5 142.5,-0.5 143.6,-0.5 144.7,-0.5 145.8,-0.5 4.1,50.5 5.2,50.5 6.3,50.5 7.4,50.5 8.5,50.5 70.5,50.5 71.6,50.5 72.7,50.5 73.8,50.5 74.9,50.5 141.4,50.5 142.5,50.5 143.6,50.5 144.7,50.5 145.8,50.5

## Polygon pours and split planes (outlines as drawn)
3.3V on Layer 1 "Layer 1-3.3V" (solid, pour order 18): 53.8,18 53.8,16.1 45.7,16.1 42,12.4 42,11.7 41.7,11.4 35.7,11.4 33.5,13.6 31.867,13.6 30.5,13.6 30.211,13.889 28.122,16.2 22.593,16.2 14.8,24 14.8,28.9 12.2,31.5 12.2,37.5 20.7,46 33.5,46.2 35.4,47.849 35.751,48.2 43.803,48.2 44.003,48 46.694,48 46.694,46.306 46.66,46.34 41.34,46.34 38.94,43.94 33.36,43.94 32.6,44.7 32.4,44.5 30.8,44.5 30.624,44.676 29.876,44.676 29.876,43.815 29.891,43.8 28.391,42.3 22.433,42.3 18.083,37.95 18.083,35.7 16.282,33.9 16.8,33.9 16.965,33.735 17.031,33.8 18.445,33.8 18.651,33.593 19.593,33.593 21.568,35.568 21.568,36.924 26.08,41.436 41.252,41.436 42.117,42.3 45.38,42.3 45.7,41.1 45.7,40.2 36.729,40.071 36.003,39.346 32.785,39.346 30.039,36.6 27.58,36.6 26.08,35.1 25.9,35.1 23,32.2 15.6,32.2 14.2,33.6 14.2,32.9 16,31.1 16,30.5 16.8,29.7 17.6,29.7 18.8,30.9 30.168,30.9 33.5,27.6 34,27.6 31.2,30.4 31.2,33.8 38.2,33.8 39.442,32.558 42.791,32.558 45.073,30.276 45.073,29.558 43.142,29.558 41.8,30.9 39.2,30.9 37.392,32.708 37.275,32.708 36.467,31.9 33.3,31.9 33.3,30.786 36.393,27.693 36.003,28.083 33.5,25.703 30.431,28.7 19.38,28.7 18.58,27.9 17.3,27.9 17.3,26.8 17.2,26.7 18.1,25.8 18.1,24.8 18.7,25.4 19.965,25.353 20.512,25.9 27.9,25.9 27.9,22.5 27.888,22.512 22.806,22.512 21.519,23.8 19.6,23.8 19.2,23.4 23.1,19.6 24.1,19.6 24.55,20.15 24.962,20.6 32.253,20.653 32.785,20.122 32.785,18.115 32.8,18.1 29.086,18.1 28.686,18.5 27,18.5 26.2,19.3 26.1,19.2 25.2,19.2 26.098,18.302 26.598,18.302 26.8,18.1 28.52,18.1 31.319,15.301 41.601,15.301 44.4,18.1 48.749,18.1 49.474,17.375 50.526,17.375 51.151,18
-5V on Layer 1 "Layer 1--5V" (solid, pour order 36): 8.1,32 11.7,32 11.7,35.9 6.8,35.9 0.9,30 0.9,23.7 18.6,6 46.6,6 46.6,11.5 43.668,11.5 41.5,9.1 22.8,9.1 8.6,23.3 5.5,23.3 3.3,25.5 3.3,29.5 5.6,29.5
NetC12_2 on Layer 1 "Layer 1-NetC11_2" (solid, pour order 34): 28,10.4 28,13.4 26.2,15.2 22.8,15.2 14.4,23.6 11.6,26.4 6.1,26.4 6.1,28.7 3.6,28.7 3.6,25.6 4.542,24.658 10.642,24.658 23,12.3 24.8,12.3 25.9,10.4
+5V on Layer 1 "Layer 1-+5V" (solid, pour order 32): 45.441,11.907 43.908,11.907 41.717,9.5 31,9.5 28.635,11.865 28.635,12.789 29.412,13.566 30.134,13.566 32.211,11.489 33.128,10.572 41.61,10.63 42.735,11.907 42.735,12.869 43.266,13.4 45.024,13.4 45.441,12.983
no net on Layer 1 "Layer 1-No Net" (solid, pour order 20): 12.9,34.5
no net on Layer 1 "Layer 1-No Net 1" (solid, pour order 8): 50.1,50
no net on Layer 1 "Layer 1-No Net 2" (solid, pour order 0): 19,20.5
GND_IN on Layer 2 (split plane): 6.349,10.1 6.354,10.061 6.363,10.039 6.369,10.024 6.393,9.993 10.893,5.493 10.903,5.486 10.903,0.51 8.6,0.51 8.5,0.501 8.405,0.472 8.316,0.424 8.239,0.361 8.176,0.284 8.128,0.195 8.099,0.1 8.09,0 8.09,-1.785 4.51,-1.785 4.51,0 4.501,0.1 4.472,0.195 4.424,0.284 4.361,0.361 4.284,0.424 4.195,0.472 4.1,0.501 4,0.51 0.51,0.51 0.51,15.434 6.349,15.434
USB_GND_IN on Layer 2 (split plane): 8.09,50 8.099,49.9 8.128,49.805 8.176,49.716 8.239,49.639 8.316,49.576 8.405,49.528 8.5,49.499 8.6,49.49 10.99,49.49 10.99,48.73 10.999,48.63 11.028,48.535 11.076,48.446 11.139,48.369 11.216,48.306 11.305,48.258 11.4,48.229 11.5,48.22 11.949,48.22 11.949,44.663 10.843,43.557 10.193,42.907 9.293,42.007 8.837,41.551 4.3,41.551 4.261,41.546 4.224,41.531 4.193,41.507 2.593,39.907 2.569,39.876 2.554,39.839 2.549,39.8 2.549,26.6 2.554,26.561 2.569,26.524 2.593,26.493 8.893,20.193 8.924,20.169 8.939,20.163 8.961,20.154 9,20.149 11.237,20.149 11.349,20.037 11.349,15.9 11.349,15.06 11.349,14.065 11.349,10.7 11.354,10.661 11.363,10.639 11.369,10.624 11.393,10.593 11.893,10.093 11.924,10.069 11.939,10.063 11.961,10.054 12,10.049 24.479,10.049 24.619,9.908 24.619,9.829 24.619,6.235 24.619,0.985 24.619,0.735 24.619,0.51 11.205,0.51 11.205,5.546 11.2,5.585 11.185,5.622 11.161,5.653 11.13,5.676 11.107,5.707 6.651,10.163 6.651,15.579 6.652,15.585 6.651,15.591 6.651,15.6 6.646,15.639 6.631,15.676 6.607,15.707 6.576,15.731 6.539,15.746 6.5,15.751 6.461,15.746 6.437,15.736 0.51,15.736 0.51,49.49 4,49.49 4.1,49.499 4.195,49.528 4.284,49.576 4.361,49.639 4.424,49.716 4.472,49.805 4.501,49.9 4.51,50 4.51,51.418 8.09,51.418
GND on Layer 2 (split plane): 346 vertices, not listed, extent 0.51,-6.89 149.502,56.89
A_GND on Layer 2 (split plane): 53.749,34.7 53.749,26.4 53.749,20.163 53.737,20.151 46.3,20.151 46.261,20.146 46.239,20.137 46.224,20.131 46.193,20.107 45.593,19.507 45.569,19.476 45.554,19.439 45.549,19.4 45.554,19.361 45.569,19.324 45.593,19.293 46.164,18.722 46.164,15.785 46.164,14.378 46.011,14.224 45.593,13.807 45.337,13.551 36.563,13.551 36.451,13.663 36.451,19.8 36.446,19.839 36.431,19.876 36.407,19.907 34.507,21.807 34.476,21.831 34.439,21.846 34.4,21.851 30.351,21.851 30.351,29.537 30.563,29.749 41.4,29.749 41.439,29.754 41.476,29.769 41.507,29.793 41.531,29.824 41.546,29.861 41.551,29.9 41.551,34.937 41.563,34.949 53.749,34.949

## Other copper
Top Layer:
  text "'.GlobalFunctionalModuleName' '.GlobalFunctionalModuleRevision' / '.Print_Date'" at 56,1.4 h1.6
  text "'.GlobalProjectName' '.GlobalProjectRevision' / '.Print_Date'" at 0.7,0.6 h1.6
Layer 2 (plane layer: these items are gaps in the copper):
  lines w0.2: 4,-1.887 8.539,-1.887 ; 4,51.52 8.585,51.52
  lines w0.3: -0.1,26.6 0,26.6 ; 0.001,15.585 6.501,15.585 ; 6.5,15.6 6.5,10.1 11,5.6 ; 8.5,41.4 8.9,41.4 ; 11.054,-0.054 11.054,5.546 ; 11.6,26.7 24.7,13.6 36.3,13.6 ; 12.1,34 18.1,34 24.1,40 29.13,40 41.425,40 41.875,40 43.83,40 46.126,40 53.873,40 ; 12.1,48.8 12.1,44.6 10.95,43.45 10.3,42.8 ; 13.7,38.9 17.9,43.1 18.3,43.1 18.5,43.1 19.7,43.1 22.53,43.1 23.165,43.1 25.935,43.1 26.57,43.1 29.13,43.1 43.83,43.1 46.126,43.1 53.873,43.1 54.5,43.1 ; 22.1,25.9 23.3,25.9 28.4,25.9 28.4,21.4 29.9,19.9 29.9,19.2 30.4,18.7 30.412,18.688 33.625,18.688 33.625,21.675 ; 22.1,27.1 22.1,34.4 31.1,34.4 ; 24.771,0.129 24.771,0.735 24.771,0.985 24.771,6.235 24.771,9.829 24.771,9.971 24.541,10.2 24.5,10.2 12,10.2 11.5,10.7 11.5,14.065 11.5,15.06 11.5,15.9 11.5,20.1 11.3,20.3 10.5,20.3 9,20.3 2.7,26.6 2.7,39.8 4.3,41.4 8.845,41.4 8.9,41.4 ; 30.5,10.2 37,3.7 37,0.1 ; 31.1,29.9 31.1,34.4 ; 31.75,35.05 41.45,35.05 ; 34,10 46.126,10 53.873,10 53.873,0.173 ; 53.873,35.1 46.126,35.1 41.875,35.1 41.5,35.1 41.4,35 41.4,29.9 30.5,29.9 30.2,29.6 30.2,21.7 34.4,21.7 36.3,19.8 36.3,13.6 ; 53.9,35.089 53.9,34.7 53.9,26.4 53.9,20.1 53.8,20 46.3,20 45.7,19.4 46.315,18.785 46.315,15.785 ; 54.456,43.144 54.456,43.9 54.456,46.044 54.456,50.259 ; 8.9,41.4 9.4,41.9 ; 9.4,41.9 10.3,42.8 ; 9.4,41.9 10.3,42.8 ; 31.1,34.4 31.1,34.4 ; 36.3,13.6 36.5,13.4 45.4,13.4 45.7,13.7 46.117,14.118 46.315,14.315 ; 46.315,14.315 46.315,15.785 ; 46.315,14.315 46.315,15.785

## Silkscreen, mask and mechanical layers (free items; w line width, h text height)
Bottom Overlay:
  drawing of 2080 lines, arcs and shapes, not listed
Mechanical 1:
  lines w0.15: 0,52.4 4,52.4 4,50.8 4,50 2.875,50 0,50 0,26.6 0,15.75 0,0 4,0 4,-0.8 4,-2.4 0,-2.4 0,-7.4 150,-7.4 150,-2.4 146,-2.4 145.8,-2.4 145.8,-0.8 145.8,0 146,0 148.4,0 150,0 150,26.4 ; 0,52.442 0,57.442 ; 0,57.4 150,57.4 150,52.4 146,52.4 145.8,52.4 145.8,50.8 145.8,50 146,50 148.4,50 150,50 150,47.498 ; 8.6,50 8.6,50.8 8.6,52.4 70.5,52.4 70.5,50.8 70.5,50 56.6,50 22.422,50 22.422,48.73 11.5,48.73 11.5,50 11.495,50.005 8.6,50.005 ; 74.9,50 74.9,50.8 74.9,52.4 ; 74.9,52.394 81.414,52.394 81.42,52.4 134.69,52.4 141.4,52.4 141.4,50.8 141.4,50 141.383,49.983 74.93,49.983 ; 150,26.413 150.013,45.478 cw(c149.992,46.478) 150.021,47.477 ; 8.6,-2.4 15.31,-2.4 68.58,-2.4 70.5,-2.4 70.5,-0.8 70.5,0 68.58,0 37,0 24.771,0 15.31,0 11.054,0 8.6,0 8.6,-0.8 8.6,-2.4 ; 74.9,-2.4 79.6,-2.4 139.7,-2.4 141.4,-2.4 141.4,-0.8 141.4,0 139.7,0 79.6,0 74.9,0 74.9,-0.8 74.9,-2.4
  lines w0.8: 13.786,46.444 13.786,48.73 ; 20.136,46.444 20.136,48.73

## Dimensions
0,0 to 68.58,14.18 on Mechanical 13
139.7,14.18 to 0,0 on Mechanical 13
15.31,14.065 to 0,0 on Mechanical 13
15.31,14.065 to 0,0 on Mechanical 13